# KiCad board rosco_m68k.kicad_pcb
title: rosco_m68k Classic 68030 Edition; date: 2023-12-17; rev: 030-2.00; company: The Really Old-School Company Limited; note: OSHWA UK000006 (https://certification.oshwa.org/uk000006.html); note: https://github.com/rosco-m68k/rosco_m68k/blob/develop/LICENSE; note: Open Source Hardware licenced under CERN Open Hardware Licence; note: Copyright ©2019-2023 Ross Bamford & Contributors
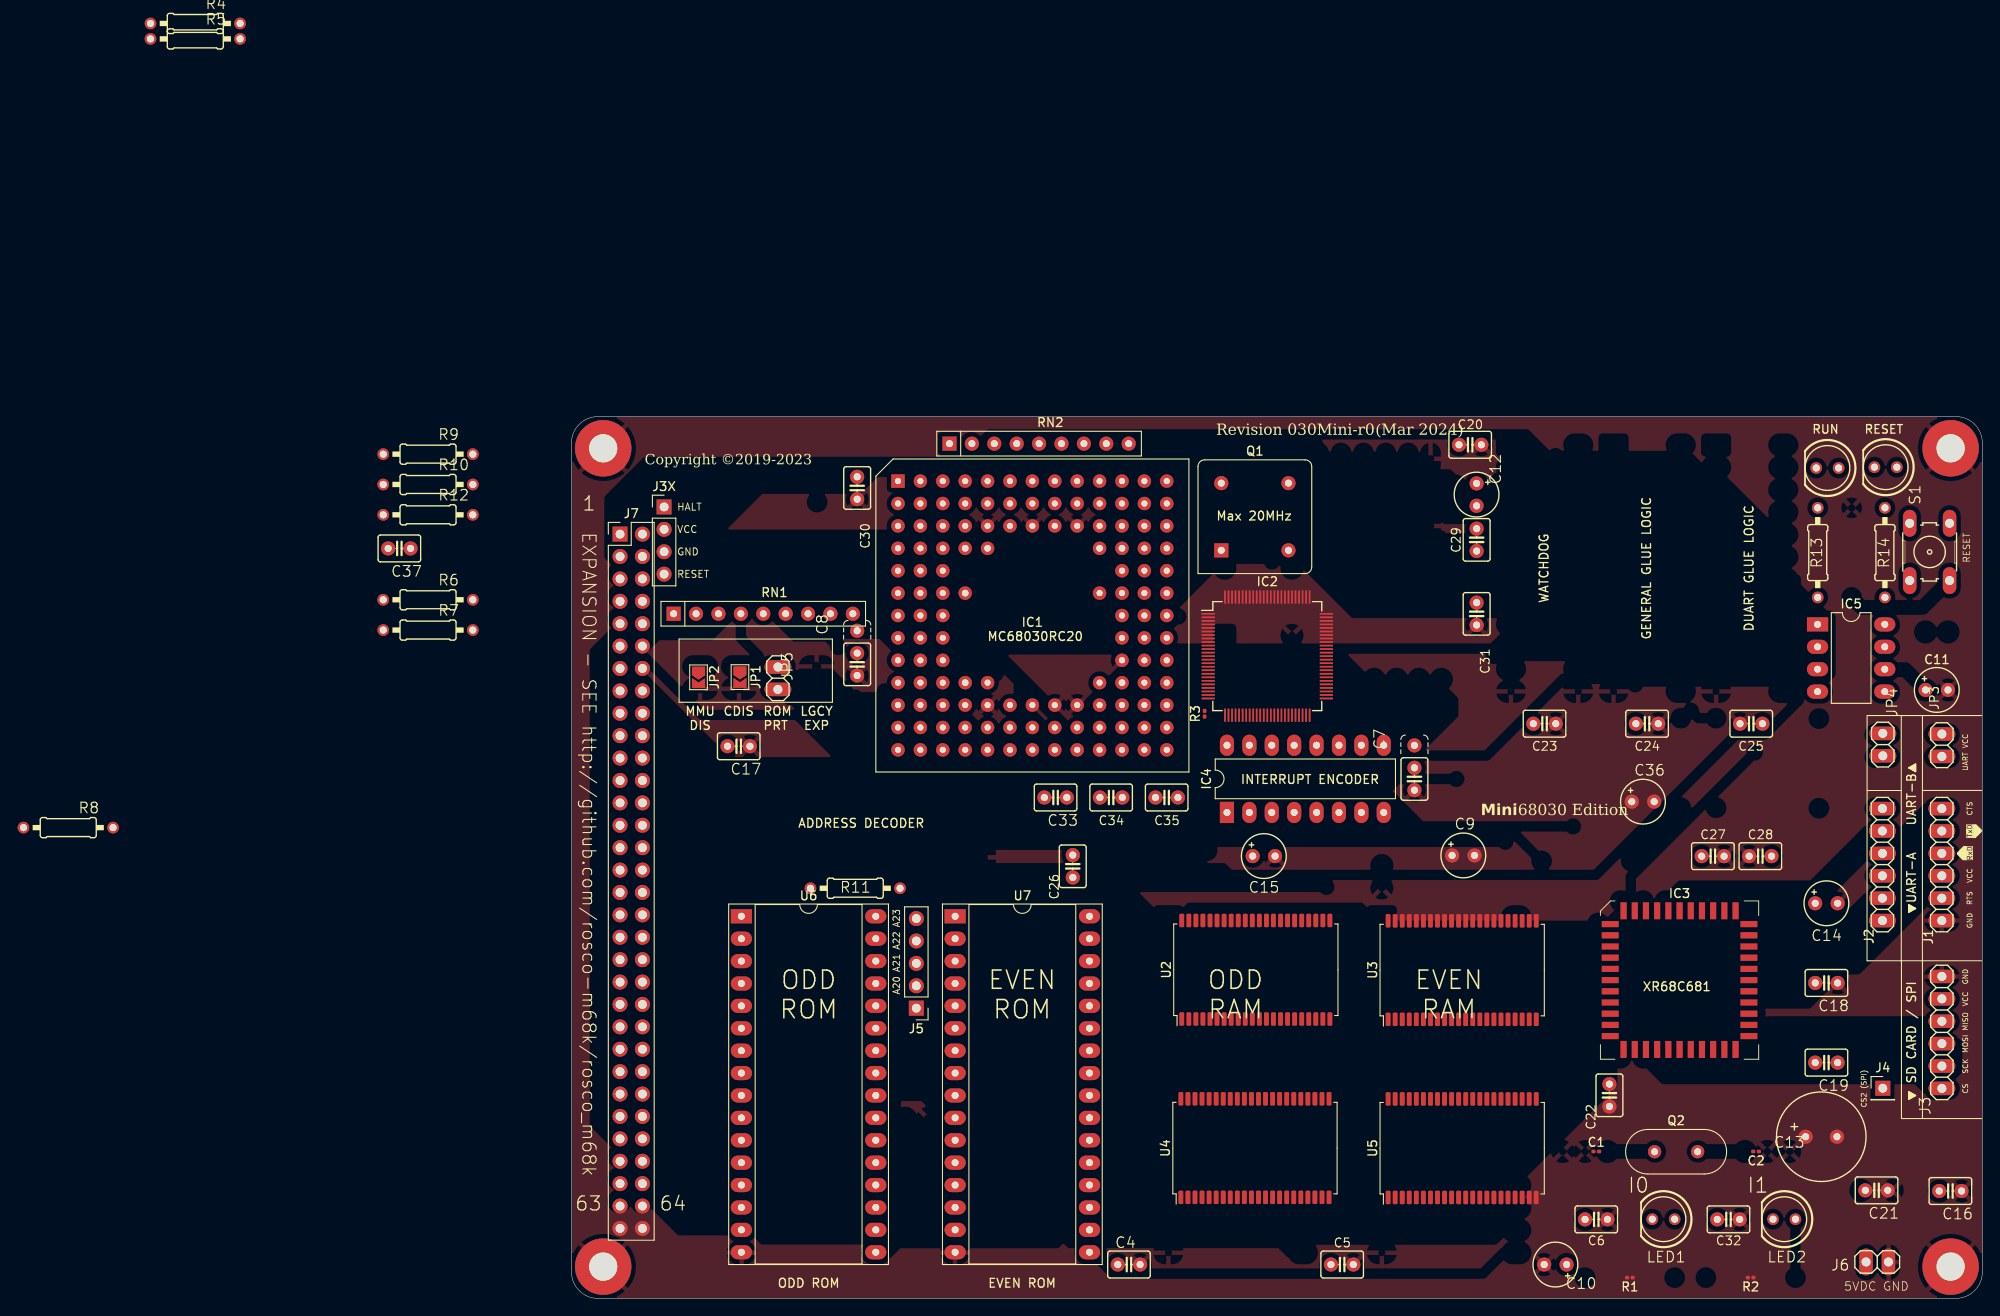
[diagram p0: board, top side]
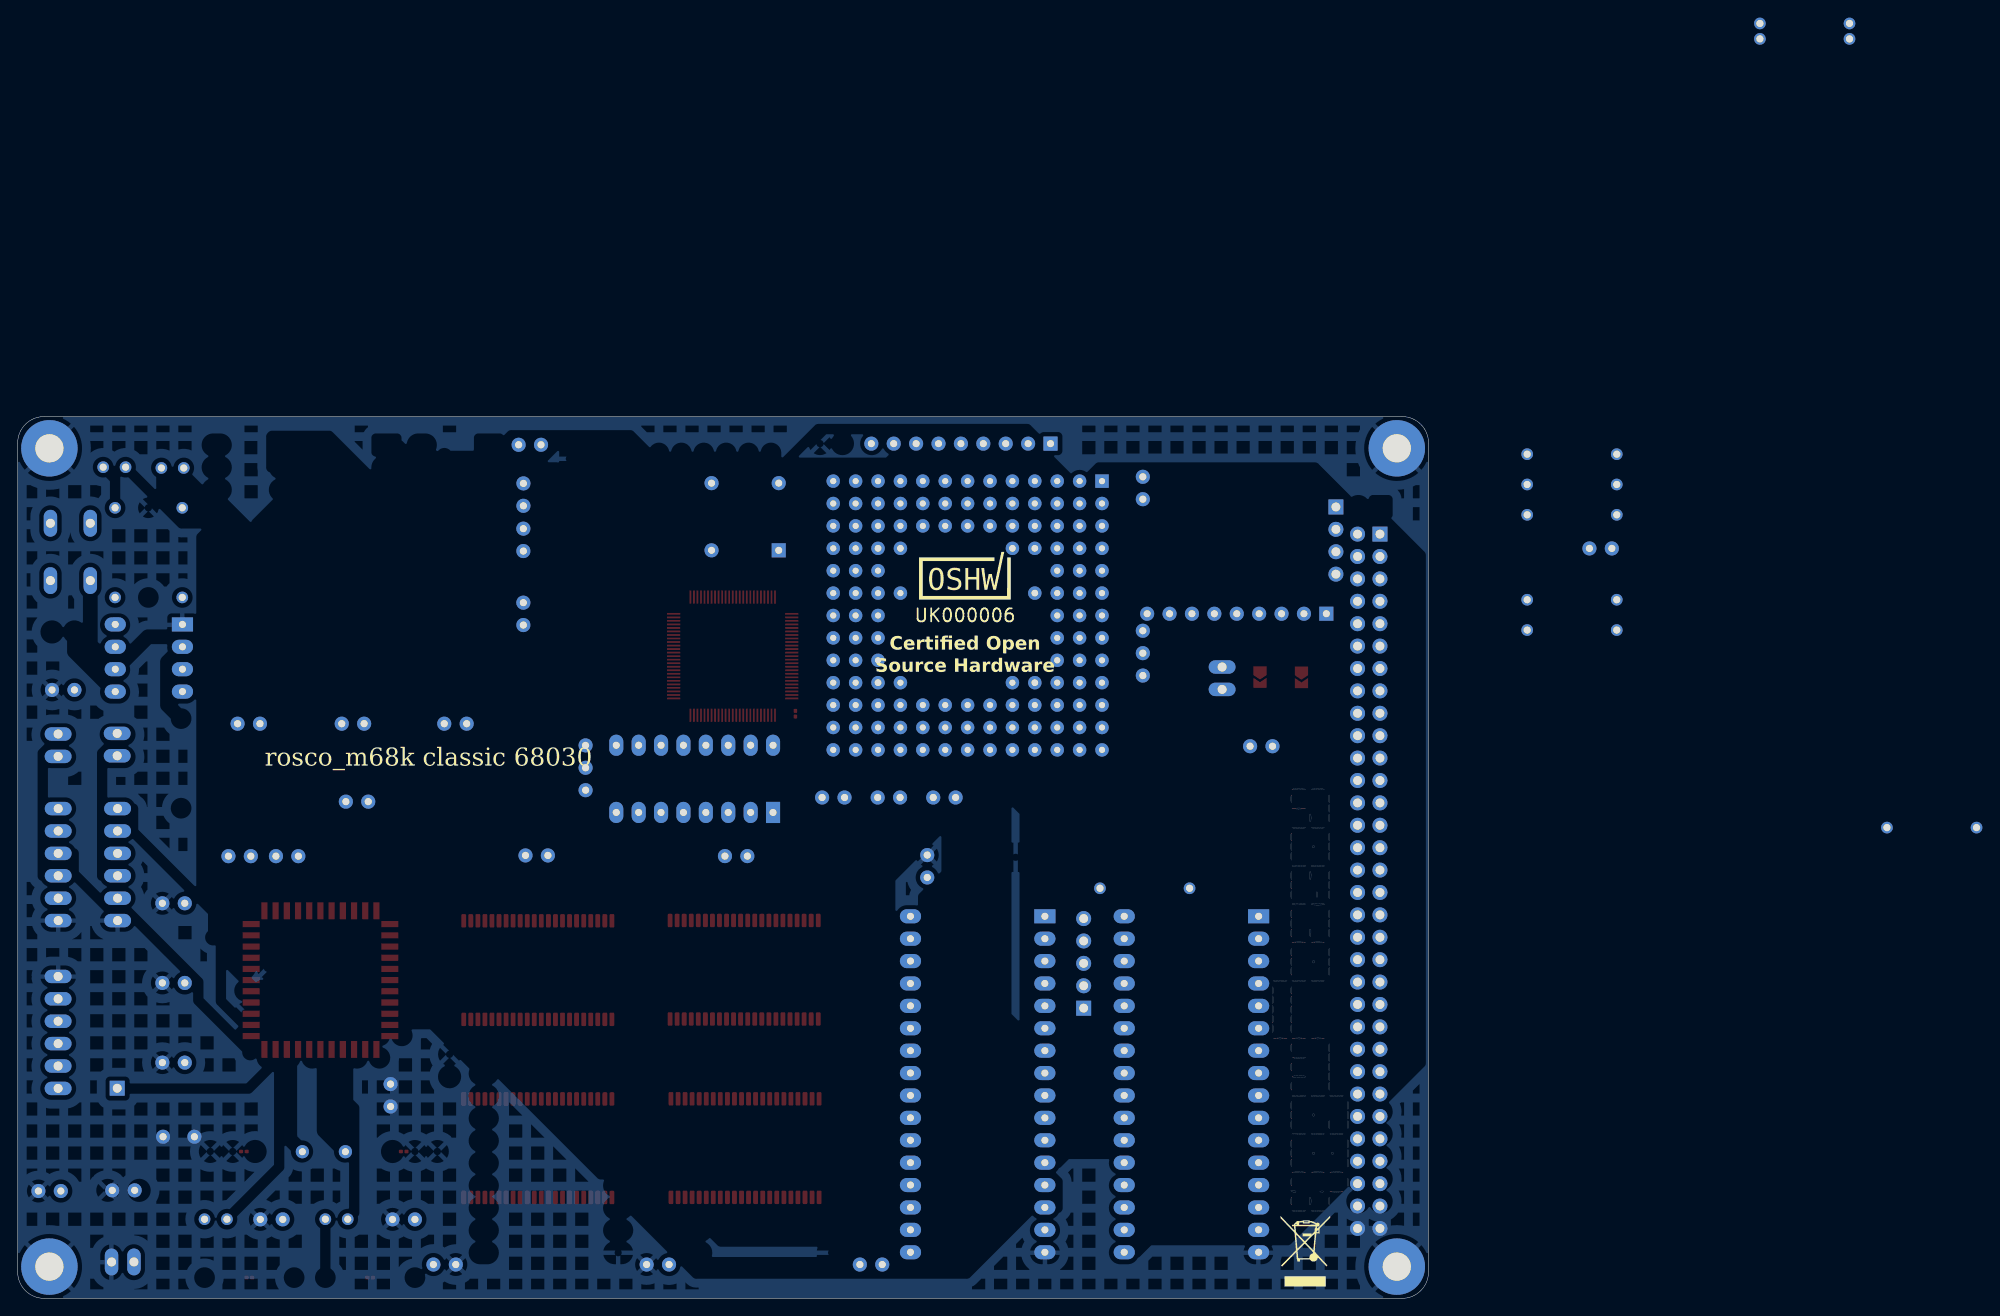
[diagram p1: board, bottom side, seen from below]

Outline 160 x 100 mm; copper layers: Top, Route2, Route15, Bottom. Coordinates in mm from the lower left corner of the outline.
Outline path: 0,97 0,3 arc(0.88,0.88) 3,0 157,0 arc(159.12,0.88) 160,3 160,97 arc(159.12,99.12) 157,100 3,100 arc(0.88,99.12) 0,97
Stack: Top 0.035mm / dielectric 0.48mm FR4 er 4.5 / Route2 0.035mm / dielectric 0.48mm FR4 er 4.5 / Route15 0.035mm / dielectric 0.48mm FR4 er 4.5 / Bottom 0.035mm

## Placement (name value [footprint] x y rotation side)
C1  100nF  [C_0201_0603Metric]  116.22 16.66 0 top
C2  100nF  [C_0201_0603Metric]  134.34 16.66 180 top
C4  100nF  [C2.5-3]  63.22 3.84 0 top
C5  100nF  [C2.5-3]  87.4 3.84 0 top
C6  100nF  [C2.5-3]  116.22 8.96 0 top
C7  7pF  [C2.5_or_3.5-3]  95.59 58.9 270 top
C8  7pF  [C2.5_or_3.5-3]  32.4 71.9 270 top
C9  100uF  [E2,5-5]  101.14 50.23 0 top
C10  100uF  [E2,5-5]  111.58 3.84 180 top
C11  100uF  [E2,5-5]  154.83 69 0 top
C12  100uF  [E2,5-5]  102.64 91.15 270 top
C13  470uF  [E3,5-10]  141.73 18.33 0 top
C14  100uF  [E2,5-5]  142.32 44.8 0 top
C15  100uF  [E2,5-5]  78.52 50.16 0 top
C16  100nF  [C2.5-3]  156.38 12.17 0 top
C17  100nF  [C2.5-3]  18.97 62.62 0 top
C18  100nF  [C2.5-3]  142.32 35.77 0 top
C19  100nF  [C2.5-3]  142.32 26.74 0 top
C20  100nF  [C2.5-3]  101.92 96.8 0 top
C21  100nF  [C2.5-3]  148 12.25 0 top
C22  100nF  [C2.5-3]  117.71 23.03 90 top
C23  100nF  [C2.5-3]  110.35 65.17 0 top
C24  100nF  [C2.5-3]  121.98 65.17 0 top
C25  100nF  [C2.5-3]  133.79 65.17 180 top
C26  100nF  [C2.5-3]  56.85 49 90 top
C27  100nF  [C2.5-3]  129.44 50.15 0 top
C28  100nF  [C2.5-3]  134.82 50.15 0 top
C29  100nF  [C2.5-3]  102.65 86.02 270 top
C30  100nF  [C2.5-3]  32.4 91.9 90 top
C31  100nF  [C2.5-3]  102.65 77.63 270 top
C32  100nF  [C2.5-3]  131.21 8.96 0 top
C33  100nF  [C2.5-3]  54.9 56.8 0 top
C34  100nF  [C2.5-3]  61.2 56.8 0 top
C35  100nF  [C2.5-3]  67.5 56.8 0 top
C36  100uF  [E2,5-5]  121.51 56.33 0 top
C37  100nF  [C2.5-3]  -19.52 85.04 0 top
H1  MountingHole  [MountingHole_3.2mm_M3_Pad]  3.6 3.6 0 top
H2  MountingHole  [MountingHole_3.2mm_M3_Pad]  3.6 96.4 0 top
H3  MountingHole  [MountingHole_3.2mm_M3_Pad]  156.4 96.4 0 top
H4  MountingHole  [MountingHole_3.2mm_M3_Pad]  156.4 3.6 0 top
IC1  MC68030RC_PGA  [MC68030RC]  52.27 77.44 180 top
IC2  ATF1504AS  [TQFP-100_12x12mm_P0.4mm]  78.91 72.83 0 top
IC3  XR68C681CJTR-F  [PLCC-44]  125.66 36.09 0 top
IC4  74LS148  [DIP-16_W7.62mm_LongPads]  74.34 55.1 90 top
IC5  555N  [DIP-8_W7.62mm_LongPads]  141.31 76.43 0 top
J1  UART_A  [1X06]  155.4 46.65 90 top
J2  UART_B  [1X06]  148.66 46.65 90 top
J3  Conn_01x06  [1X06]  155.41 27.62 90 top
J3-X1  Conn_01x04_Male  [PinHeader_1x04_P2.54mm_Vertical]  10.5 89.75 0 top
J4  Conn_01x01_Male  [PinHeader_1x01_P2.54mm_Vertical]  148.71 23.83 0 top
J5  Conn_01x05_Male  [PinHeader_1x05_P2.54mm_Vertical]  39.11 32.91 180 top
J6  PWR  [1X02]  148.08 4.13 0 top
J7  Conn_02x32_Odd_Even  [PinHeader_2x32_P2.54mm_Vertical]  5.51 86.67 0 top
JP1  Jumper  [SolderJumper-2_P1.3mm_Open_TrianglePad1.0x1.5mm]  19.11 70.45 270 top
JP2  Jumper  [SolderJumper-2_P1.3mm_Open_TrianglePad1.0x1.5mm]  14.41 70.43 270 top
JP3  Jumper  [1X02]  155.41 62.73 270 top
JP4  Jumper  [1X02]  148.71 62.8 270 top
JP5  Jumper  [1X02]  23.41 70.33 270 top
LED1  GREEN  [LED5MM]  123.84 8.98 180 top
LED2  RED  [LED5MM]  137.53 8.98 180 top
LED3  GREEN  [LED5MM]  142.43 94.17 180 top
LED4  RED  [LED5MM]  149.03 94.26 180 top
OSHW_Mono_0.25_Scale  UK000006  [OSHW_Mono_0.25_Scale]  52.57 81.95 180 bottom
Q1  5H8ET-40.000  [Oscillator_DIP-8]  73.69 84.83 0 top
Q2  3.6864MHz  [Crystal_HC49-4H_Vertical]  122.83 16.63 0 top
R1  4K7  [R_0201_0603Metric]  120.03 2.35 180 top
R2  1K2  [R_0201_0603Metric]  133.72 2.35 180 top
R3  1K2  [R_0201_0603Metric]  71.8 66.3 90 top
R4  330R  [0207_10]  -42.66 144.58 0 top
R5  330R  [0207_10]  -42.66 142.83 0 top
R6  4K7  [0207_10]  -16.26 79.23 0 top
R7  10K  [0207_10]  -16.26 75.79 0 top
R8  10K  [0207_10]  -57.06 53.39 0 top
R9  2K2  [0207_10]  -16.26 95.74 0 top
R10  270R  [0207_10]  -16.26 92.3 0 top
R11  330R  [0207_10]  32.18 46.51 0 top
R12  330R  [0207_10]  -16.26 88.86 0 top
R13  4K7  [0207_10]  141.33 84.57 270 top
R14  4K7  [0207_10]  148.95 84.57 270 top
REF**  -  [MD-rosco_m68k_logo]  16.41 32.8 270 bottom
RN1  4K7  [R_Array_SIP9]  11.59 77.64 0 top
RN2  4K7  [R_Array_SIP9]  42.87 96.93 0 top
rosco_m68k  -  [SM-rosco_m68k_logo]  17.7 97.44 0 top
rosco_m68k_mid  -  [SM-rosco_m68k_logo]  112.04 58.08 0 top
S1  10-XX  [B3F-10XX]  154.02 84.65 90 top
U2  AS6C8016  [TSOP-II-44_10.16x18.41mm_P0.8mm]  77.61 37.27 90 top
U3  AS6C8016  [TSOP-II-44_10.16x18.41mm_P0.8mm]  101.01 37.23 90 top
U4  AS6C8016  [TSOP-II-44_10.16x18.41mm_P0.8mm]  77.51 17.04 90 top
U5  AS6C8016  [TSOP-II-44_10.16x18.41mm_P0.8mm]  101.01 17.03 90 top
U6  SST39SF040  [DIP-32_W15.24mm_Socket_LongPads]  19.27 43.33 0 top
U7  SST39SF040  [DIP-32_W15.24mm_Socket_LongPads]  43.51 43.33 0 top
weee  -  [WEEE-Logo_5.6x8mm_SilkScreen]  13.98 5.36 180 bottom

## Library data of the parts
C4-C8 = -: Description: Unpolarized capacitor
H1-H4 = -: Description: Mounting Hole with connection
IC4 = -: Description: Priority Encoder 3 to 8 cascadable
J1 J2 = -: Description: Generic connector, single row, 01x06, script generated
J3 = -: Description: Generic connector, single row, 01x06, script generated (kicad-library-utils/schlib/autogen/connector/)
J3-X1 = -: Description: Generic connector, single row, 01x04, script generated
J4 = -: Description: Generic connector, single row, 01x01, script generated
J5 = -: Description: Generic connector, single row, 01x05, script generated
J6 = -: 1: +5V; 2: GND
J7 = -: Description: Generic connector, double row, 02x32, odd/even pin numbering scheme (row 1 odd numbers, row 2 even numbers), script generated (kicad-library-utils/schlib/autogen/connector/)
JP1-JP5 = -: Description: Jumper, 2-pole, open
Q1 = -: Description: Crystal Clock Oscillator, DIP8-style metal package
Q2 = -: Description: Two pin crystal
R1-R3 R6-R8 = -: Description: Resistor
RN1 RN2 = -: Description: 8 resistor network, star topology, bussed resistors, small symbol
U6 U7 = -: Description: Silicon Storage Technology (SSF) 512k x 8 Flash ROM

## Footprints (pads in the part's own frame, mm; a bottom-side part is the same pattern mirrored in y, then rotated)
1X02
  oval 1.524x3.048 hole 1.016: 1(-1.27,0) 2(1.27,0)
1X06
  oval 1.524x3.048 hole 1.016: 1(-3.81,0) 2(-1.27,0) 3(1.27,0) 4(3.81,0) 5(6.35,0) 6(8.89,0)
0207_10
  round 1.321 hole 0.813: 1(-5.08,0) 2(5.08,0)
B3F-10XX
  oval 3.048x1.524 hole 1.016: 1(-3.251,2.261) 2(3.251,2.261) 3(-3.251,-2.261) 4(3.251,-2.261)
C2.5-3
  round 1.6 hole 0.813: 1(-1.27,0) 2(1.27,0)
C2.5_or_3.5-3
  round 1.6 hole 0.813: 1(-3.81,0) 1(-1.27,0) 2(1.27,0)
C_0201_0603Metric
  rrect 0.318x0.36 smd: (-0.345,0) (0.345,0)
  rrect 0.46x0.4 smd: 1(-0.32,0) 2(0.32,0)
Crystal_HC49-4H_Vertical
  round 1.5 hole 0.8: 1(0,0) 2(4.88,0)
DIP-8_W7.62mm_LongPads
  rect 2.4x1.6 hole 0.8: 1(0,0)
  oval 2.4x1.6 hole 0.8: 2(0,-2.54) 3(0,-5.08) 4(0,-7.62) 5(7.62,-7.62) 6(7.62,-5.08) 7(7.62,-2.54) 8(7.62,0)
DIP-16_W7.62mm_LongPads
  rect 2.4x1.6 hole 0.8: 1(0,0)
  oval 2.4x1.6 hole 0.8: 2(0,-2.54) 3(0,-5.08) 4(0,-7.62) 5(0,-10.16) 6(0,-12.7) 7(0,-15.24) 8(0,-17.78) 9(7.62,-17.78) 10(7.62,-15.24) 11(7.62,-12.7) 12(7.62,-10.16) 13(7.62,-7.62) 14(7.62,-5.08) 15(7.62,-2.54) 16(7.62,0)
DIP-32_W15.24mm_Socket_LongPads
  rect 2.4x1.6 hole 0.8: 1(0,0)
  oval 2.4x1.6 hole 0.8: 2(0,-2.54) 3(0,-5.08) 4(0,-7.62) 5(0,-10.16) 6(0,-12.7) 7(0,-15.24) 8(0,-17.78) 9(0,-20.32) 10(0,-22.86) 11(0,-25.4) 12(0,-27.94) 13(0,-30.48) 14(0,-33.02) 15(0,-35.56) 16(0,-38.1) 17(15.24,-38.1) 18(15.24,-35.56) 19(15.24,-33.02) 20(15.24,-30.48) 21(15.24,-27.94) 22(15.24,-25.4) 23(15.24,-22.86) 24(15.24,-20.32) 25(15.24,-17.78) 26(15.24,-15.24) 27(15.24,-12.7) 28(15.24,-10.16) 29(15.24,-7.62) 30(15.24,-5.08) 31(15.24,-2.54) 32(15.24,0)
E2,5-5
  round 1.6 hole 0.813: +(-1.27,0) -(1.27,0)
E3,5-10
  round 1.6 hole 0.813: +(-1.778,0) -(1.778,0)
LED5MM
  round 1.321 hole 0.813: A(-1.27,0) K(1.27,0)
MC68030RC
  rect 1.524x1.524 hole 0.7: A1(15.24,-15.24)
  round 1.524 hole 0.7: A2(12.7,-15.24) A3(10.16,-15.24) A4(7.62,-15.24) A5(5.08,-15.24) A6(2.54,-15.24) A7(0,-15.24) A8(-2.54,-15.24) A9(-5.08,-15.24) A10(-7.62,-15.24) A11(-10.16,-15.24) A12(-12.7,-15.24) A13(-15.24,-15.24) B1(15.24,-12.7) B2(12.7,-12.7) B3(10.16,-12.7) B4(7.62,-12.7) B5(5.08,-12.7) B6(2.54,-12.7) B7(0,-12.7) B8(-2.54,-12.7) B9(-5.08,-12.7) B10(-7.62,-12.7) B11(-10.16,-12.7) B12(-12.7,-12.7) B13(-15.24,-12.7) C1(15.24,-10.16) C2(12.7,-10.16) C3(10.16,-10.16) C4(7.62,-10.16) C5(5.08,-10.16) C6(2.54,-10.16) C7(0,-10.16) C8(-2.54,-10.16) C9(-5.08,-10.16) C10(-7.62,-10.16) C11(-10.16,-10.16) C12(-12.7,-10.16) C13(-15.24,-10.16) D1(15.24,-7.62) D2(12.7,-7.62) D3(10.16,-7.62) D12(-12.7,-7.62) D13(-15.24,-7.62) E1(15.24,-5.08) E2(12.7,-5.08) E3(10.16,-5.08) E11(-10.16,-5.08) E12(-12.7,-5.08) E13(-15.24,-5.08) F1(15.24,-2.54) F2(12.7,-2.54) F3(10.16,-2.54) F10(-7.62,-2.54) F11(-10.16,-2.54) F12(-12.7,-2.54) F13(-15.24,-2.54) G1(15.24,0) G2(12.7,0) G3(10.16,0) G11(-10.16,0) G12(-12.7,0) G13(-15.24,0) H1(15.24,2.54) H2(12.7,2.54) H3(10.16,2.54) H11(-10.16,2.54) H12(-12.7,2.54) H13(-15.24,2.54) J1(15.24,5.08) J2(12.7,5.08) J3(10.16,5.08) J11(-10.16,5.08) J12(-12.7,5.08) J13(-15.24,5.08) K1(15.24,7.62) K2(12.7,7.62) K3(10.16,7.62) K5(5.08,7.62) K10(-7.62,7.62) K12(-12.7,7.62) K13(-15.24,7.62) L1(15.24,10.16) L2(12.7,10.16) L3(10.16,10.16) L4(7.62,10.16) L5(5.08,10.16) L6(2.54,10.16) L7(0,10.16) L8(-2.54,10.16) L9(-5.08,10.16) L10(-7.62,10.16) L11(-10.16,10.16) L12(-12.7,10.16) L13(-15.24,10.16) M1(15.24,12.7) M2(12.7,12.7) M3(10.16,12.7) M4(7.62,12.7) M5(5.08,12.7) M6(2.54,12.7) M7(0,12.7) M8(-2.54,12.7) M9(-5.08,12.7) M10(-7.62,12.7) M11(-10.16,12.7) M12(-12.7,12.7) M13(-15.24,12.7) N1(15.24,15.24) N2(12.7,15.24) N3(10.16,15.24) N4(7.62,15.24) N5(5.08,15.24) N6(2.54,15.24) N7(0,15.24) N8(-2.54,15.24) N9(-5.08,15.24) N10(-7.62,15.24) N11(-10.16,15.24) N12(-12.7,15.24) N13(-15.24,15.24)
  round 1.524 hole 0.762: D4(7.62,-7.62) D5(5.08,-7.62) D10(-7.62,-7.62) D11(-10.16,-7.62) F4(7.62,-2.54) K4(7.62,7.62) K11(-10.16,7.62)
MountingHole_3.2mm_M3_Pad
  round 6.4 hole 3.2: 1(0,0)
Oscillator_DIP-8
  rect 1.6x1.6 hole 0.8: 1(0,0)
  round 1.6 hole 0.8: 4(7.62,0) 5(7.62,7.62) 8(0,7.62)
PinHeader_1x01_P2.54mm_Vertical
  rect 1.7x1.7 hole 1: 1(0,0)
PinHeader_1x04_P2.54mm_Vertical
  rect 1.7x1.7 hole 1: 1(0,0)
  oval 1.7x1.7 hole 1: 2(0,-2.54) 3(0,-5.08) 4(0,-7.62)
PinHeader_1x05_P2.54mm_Vertical
  rect 1.7x1.7 hole 1: 1(0,0)
  oval 1.7x1.7 hole 1: 2(0,-2.54) 3(0,-5.08) 4(0,-7.62) 5(0,-10.16)
PinHeader_2x32_P2.54mm_Vertical
  rect 1.7x1.7 hole 1: 1(0,0)
  oval 1.7x1.7 hole 1: 2(2.54,0) 3(0,-2.54) 4(2.54,-2.54) 5(0,-5.08) 6(2.54,-5.08) 7(0,-7.62) 8(2.54,-7.62) 9(0,-10.16) 10(2.54,-10.16) 11(0,-12.7) 12(2.54,-12.7) 13(0,-15.24) 14(2.54,-15.24) 15(0,-17.78) 16(2.54,-17.78) 17(0,-20.32) 18(2.54,-20.32) 19(0,-22.86) 20(2.54,-22.86) 21(0,-25.4) 22(2.54,-25.4) 23(0,-27.94) 24(2.54,-27.94) 25(0,-30.48) 26(2.54,-30.48) 27(0,-33.02) 28(2.54,-33.02) 29(0,-35.56) 30(2.54,-35.56) 31(0,-38.1) 32(2.54,-38.1) 33(0,-40.64) 34(2.54,-40.64) 35(0,-43.18) 36(2.54,-43.18) 37(0,-45.72) 38(2.54,-45.72) 39(0,-48.26) 40(2.54,-48.26) 41(0,-50.8) 42(2.54,-50.8) 43(0,-53.34) 44(2.54,-53.34) 45(0,-55.88) 46(2.54,-55.88) 47(0,-58.42) 48(2.54,-58.42) 49(0,-60.96) 50(2.54,-60.96) 51(0,-63.5) 52(2.54,-63.5) 53(0,-66.04) 54(2.54,-66.04) 55(0,-68.58) 56(2.54,-68.58) 57(0,-71.12) 58(2.54,-71.12) 59(0,-73.66) 60(2.54,-73.66) 61(0,-76.2) 62(2.54,-76.2) 63(0,-78.74) 64(2.54,-78.74)
PLCC-44
  rect 0.7x1.925 smd: 1(0,7.862) 2(-1.27,7.862) 3(-2.54,7.862) 4(-3.81,7.862) 5(-5.08,7.862) 6(-6.35,7.862) 18(-6.35,-7.862) 19(-5.08,-7.862) 20(-3.81,-7.862) 21(-2.54,-7.862) 22(-1.27,-7.862) 23(0,-7.862) 24(1.27,-7.862) 25(2.54,-7.862) 26(3.81,-7.862) 27(5.08,-7.862) 28(6.35,-7.862) 40(6.35,7.862) 41(5.08,7.862) 42(3.81,7.862) 43(2.54,7.862) 44(1.27,7.862)
  rect 1.925x0.7 smd: 7(-7.862,6.35) 8(-7.862,5.08) 9(-7.862,3.81) 10(-7.862,2.54) 11(-7.862,1.27) 12(-7.862,0) 13(-7.862,-1.27) 14(-7.862,-2.54) 15(-7.862,-3.81) 16(-7.862,-5.08) 17(-7.862,-6.35) 29(7.862,-6.35) 30(7.862,-5.08) 31(7.862,-3.81) 32(7.862,-2.54) 33(7.862,-1.27) 34(7.862,0) 35(7.862,1.27) 36(7.862,2.54) 37(7.862,3.81) 38(7.862,5.08) 39(7.862,6.35)
R_0201_0603Metric
  rrect 0.318x0.36 smd: (-0.345,0) (0.345,0)
  rrect 0.46x0.4 smd: 1(-0.32,0) 2(0.32,0)
R_Array_SIP9
  rect 1.6x1.6 hole 0.8: 1(0,0)
  oval 1.6x1.6 hole 0.8: 2(2.54,0) 3(5.08,0) 4(7.62,0) 5(10.16,0) 6(12.7,0) 7(15.24,0) 8(17.78,0) 9(20.32,0)
SolderJumper-2_P1.3mm_Open_TrianglePad1.0x1.5mm
  custom 1.5x1.5 smd: 1(-0.725,0)
  custom 1.15x1.5 smd: 2(0.725,0)
TQFP-100_12x12mm_P0.4mm
  rect 1.5x0.2 smd: 1(-6.7,4.8) 2(-6.7,4.4) 3(-6.7,4) 4(-6.7,3.6) 5(-6.7,3.2) 6(-6.7,2.8) 7(-6.7,2.4) 8(-6.7,2) 9(-6.7,1.6) 10(-6.7,1.2) 11(-6.7,0.8) 12(-6.7,0.4) 13(-6.7,0) 14(-6.7,-0.4) 15(-6.7,-0.8) 16(-6.7,-1.2) 17(-6.7,-1.6) 18(-6.7,-2) 19(-6.7,-2.4) 20(-6.7,-2.8) 21(-6.7,-3.2) 22(-6.7,-3.6) 23(-6.7,-4) 24(-6.7,-4.4) 25(-6.7,-4.8) 51(6.7,-4.8) 52(6.7,-4.4) 53(6.7,-4) 54(6.7,-3.6) 55(6.7,-3.2) 56(6.7,-2.8) 57(6.7,-2.4) 58(6.7,-2) 59(6.7,-1.6) 60(6.7,-1.2) 61(6.7,-0.8) 62(6.7,-0.4) 63(6.7,0) 64(6.7,0.4) 65(6.7,0.8) 66(6.7,1.2) 67(6.7,1.6) 68(6.7,2) 69(6.7,2.4) 70(6.7,2.8) 71(6.7,3.2) 72(6.7,3.6) 73(6.7,4) 74(6.7,4.4) 75(6.7,4.8)
  rect 0.2x1.5 smd: 26(-4.8,-6.7) 27(-4.4,-6.7) 28(-4,-6.7) 29(-3.6,-6.7) 30(-3.2,-6.7) 31(-2.8,-6.7) 32(-2.4,-6.7) 33(-2,-6.7) 34(-1.6,-6.7) 35(-1.2,-6.7) 36(-0.8,-6.7) 37(-0.4,-6.7) 38(0,-6.7) 39(0.4,-6.7) 40(0.8,-6.7) 41(1.2,-6.7) 42(1.6,-6.7) 43(2,-6.7) 44(2.4,-6.7) 45(2.8,-6.7) 46(3.2,-6.7) 47(3.6,-6.7) 48(4,-6.7) 49(4.4,-6.7) 50(4.8,-6.7) 76(4.8,6.7) 77(4.4,6.7) 78(4,6.7) 79(3.6,6.7) 80(3.2,6.7) 81(2.8,6.7) 82(2.4,6.7) 83(2,6.7) 84(1.6,6.7) 85(1.2,6.7) 86(0.8,6.7) 87(0.4,6.7) 88(0,6.7) 89(-0.4,6.7) 90(-0.8,6.7) 91(-1.2,6.7) 92(-1.6,6.7) 93(-2,6.7) 94(-2.4,6.7) 95(-2.8,6.7) 96(-3.2,6.7) 97(-3.6,6.7) 98(-4,6.7) 99(-4.4,6.7) 100(-4.8,6.7)
TSOP-II-44_10.16x18.41mm_P0.8mm
  rrect 1.525x0.55 smd: 1(-5.588,8.4) 2(-5.588,7.6) 3(-5.588,6.8) 4(-5.588,6) 5(-5.588,5.2) 6(-5.588,4.4) 7(-5.588,3.6) 8(-5.588,2.8) 9(-5.588,2) 10(-5.588,1.2) 11(-5.588,0.4) 12(-5.588,-0.4) 13(-5.588,-1.2) 14(-5.588,-2) 15(-5.588,-2.8) 16(-5.588,-3.6) 17(-5.588,-4.4) 18(-5.588,-5.2) 19(-5.588,-6) 20(-5.588,-6.8) 21(-5.588,-7.6) 22(-5.588,-8.4) 23(5.588,-8.4) 24(5.588,-7.6) 25(5.588,-6.8) 26(5.588,-6) 27(5.588,-5.2) 28(5.588,-4.4) 29(5.588,-3.6) 30(5.588,-2.8) 31(5.588,-2) 32(5.588,-1.2) 33(5.588,-0.4) 34(5.588,0.4) 35(5.588,1.2) 36(5.588,2) 37(5.588,2.8) 38(5.588,3.6) 39(5.588,4.4) 40(5.588,5.2) 41(5.588,6) 42(5.588,6.8) 43(5.588,7.6) 44(5.588,8.4)

## Nets
GND: C1.2 C2.2 C4.1 C5.1 C6.1 C7.1 C8.1 C9.- C10.- C11.- C12.- C13.- C14.- C15.- C16.2 C17.2 C18.2 C19.2 C20.2 C21.2 C22.2 C23.2 C24.2 C25.2 C26.2 C27.2 C28.2 C29.2 C30.2 C31.2 C32.2 C33.2 C34.2 C35.2 C36.- H1.1 H2.1 H3.1 H4.1 IC1.C5 IC1.C7 IC1.C9 IC1.E3 IC1.E11 IC1.F3 IC1.G3 IC1.G11 IC1.J3 IC1.J11 IC1.L5 IC1.L7 IC1.L8 IC1.L9 IC2.11 IC2.26 IC2.38 IC2.43 IC2.59 IC2.74 IC2.86 IC2.95 IC3.3 IC3.22 IC3.42 IC3.43 IC4.5 IC4.8 IC4.10 IC5.1 J1.1 J2.1 J3.6 J3-X1.3 J6.2 J7.6 JP1.2 JP2.2 Q1.4 R10.1 U2.12 U2.34 U3.12 U3.34 U4.12 U4.34 U5.12 U5.34 U6.16 U7.16
VCC: C1.1 C2.1 C4.2 C5.2 C6.2 C9.+ C10.+ C11.+ C12.+ C13.+ C14.+ C15.+ C16.1 C17.1 C18.1 C19.1 C20.1 C21.1 C22.1 C23.1 C24.1 C25.1 C26.1 C27.1 C28.1 C29.1 C30.1 C31.1 C32.1 C33.1 C34.1 C35.1 C37.1 IC1.C6 IC1.D4 IC1.D10 IC1.F2 IC1.F11 IC1.H3 IC1.H11 IC1.K4 IC1.K10 IC1.L6 IC2.3 IC2.18 IC2.34 IC2.39 IC2.51 IC2.66 IC2.82 IC2.91 IC3.44 IC4.4 IC4.11 IC4.16 IC5.4 IC5.8 J3.5 J3-X1.2 J6.1 J7.2 JP3.2 JP4.2 Q1.8 R1.1 R2.1 R3.1 R4.2 R5.2 R6.1 R7.1 R8.1 R9.2 R11.2 R12.2 R13.2 R14.2 RN1.1 RN2.1 U2.11 U2.33 U3.11 U3.33 U4.11 U4.33 U5.11 U5.33 U6.32 U7.32
VCCUA: J1.3 JP3.1
VCCUB: J2.3 JP4.1
/CPU/A0: IC1.A2
/CPU/A1: IC1.C4
/CPU/A2: IC1.D13
/CPU/A3: IC1.D12
/CPU/A4: IC1.C13
/CPU/A5: IC1.C12
/CPU/A6: IC1.D11
/CPU/A7: IC1.B13
/CPU/A8: IC1.B12
/CPU/A9: IC1.C11
/CPU/A10: IC1.A13
/CPU/A11: IC1.C10
/CPU/A12: IC1.B11
/CPU/A13: IC1.A12
/CPU/A14: IC1.B10
/CPU/A15: IC1.A11
/CPU/A16: IC1.B9
/CPU/A17: IC1.A10
/CPU/A18: IC1.C8
/CPU/A19: IC1.A9
/CPU/A20: IC1.B8
/CPU/A21: IC1.A8
/CPU/A22: IC1.B7
/CPU/A23: IC1.A7
/CPU/A24: IC1.A6
/CPU/A25: IC1.B6
/CPU/A26: IC1.A5
/CPU/A27: IC1.B5
/CPU/A28: IC1.A4
/CPU/A29: IC1.B4
/CPU/A30: IC1.A3
/CPU/A31: IC1.B3
/CPU/BERR: IC1.H1
/CPU/CDIS: IC1.H12 JP1.1
/CPU/CLK: IC1.E1 Q1.5
/CPU/D0: IC1.K13
/CPU/D1: IC1.K12
/CPU/D2: IC1.L13
/CPU/D3: IC1.M13
/CPU/D4: IC1.L12
/CPU/D5: IC1.K11
/CPU/D6: IC1.M12
/CPU/D7: IC1.L11
/CPU/D8: IC1.N13
/CPU/D9: IC1.M11
/CPU/D10: IC1.L10
/CPU/D11: IC1.N12
/CPU/D12: IC1.M10
/CPU/D13: IC1.N11
/CPU/D14: IC1.M9
/CPU/D15: IC1.N10
/CPU/D16: IC1.N9
/CPU/D17: IC1.M8
/CPU/D18: IC1.N8
/CPU/D19: IC1.N7
/CPU/D20: IC1.M7
/CPU/D21: IC1.N6
/CPU/D22: IC1.M6
/CPU/D23: IC1.N5
/CPU/D24: IC1.M5
/CPU/D25: IC1.N4
/CPU/D26: IC1.N3
/CPU/D27: IC1.M4
/CPU/D28: IC1.N2
/CPU/D29: IC1.M3
/CPU/D30: IC1.L4
/CPU/D31: IC1.N1
/CPU/FC0: IC1.D2
/CPU/FC1: IC1.C1
/CPU/FC2: IC1.D1
/CPU/IPL0: IC1.H13
/CPU/IPL1: IC1.G13
/CPU/IPL2: IC1.G12
/CPU/MMUDIS: IC1.F13 JP2.1
/CPU/SIZ0: IC1.L2
/CPU/SIZ1: IC1.K3
/CPU/~{AS}: IC1.J2
/CPU/~{AVEC}: IC1.E2
/CPU/~{BERR}: RN1.9
/CPU/~{BGACK}: IC1.C3 RN1.3
/CPU/~{BG}: IC1.B2
/CPU/~{BR}: IC1.A1 RN1.2
/CPU/~{CDIS}: RN2.8
/CPU/~{CIIN}: IC1.L1 RN1.8
/CPU/~{DSACK0}: IC1.F1
/CPU/~{DSACK1}: IC1.G2 R2.2 R3.2
/CPU/~{DS}: IC1.K2
/CPU/~{HALT}: IC1.H2
/CPU/~{IRQ2}: RN1.6
/CPU/~{IRQ3}: RN1.4
/CPU/~{IRQ5}: RN1.5
/CPU/~{IRQ6}: RN1.7
/CPU/~{MMUDIS}: RN2.9
/CPU/~{RESET}: IC1.F12
/CPU/~{RW}: IC1.L3
/CPU/~{STERM}: IC1.G1 RN2.7
/GALs/A0: IC2.33
/GALs/A1: IC2.35
/GALs/A2: IC2.84
/GALs/A3: IC2.89
/GALs/A6: IC2.80
/GALs/A7: IC2.64
/GALs/A8: IC2.65
/GALs/A9: IC2.67
/GALs/A10: IC2.68
/GALs/A11: IC2.69
/GALs/A12: IC2.71
/GALs/A13: IC2.36
/GALs/A14: IC2.76
/GALs/A15: IC2.79
/GALs/A16: IC2.14
/GALs/A17: IC2.13
/GALs/A18: IC2.12
/GALs/A19: IC2.10
/GALs/A20: IC2.9
/GALs/A21: IC2.8
/GALs/A22: IC2.6
/GALs/A23: IC2.100
/GALs/A24: IC2.99
/GALs/A25: IC2.98
/GALs/A26: IC2.97
/GALs/A27: IC2.96
/GALs/A28: IC2.17
/GALs/A29: IC2.40
/GALs/A30: IC2.42
/GALs/A31: IC2.45
/GALs/FC0: IC2.44
/GALs/FC1: IC2.46
/GALs/FC2: IC2.83
/GALs/GCLK: IC2.87
/GALs/GLUE_TCK: IC2.62
/GALs/GLUE_TDI: IC2.4
/GALs/GLUE_TDO: IC2.73
/GALs/GLUE_TMS: IC2.15
/GALs/HWRST: IC2.88
/GALs/RUNLED: IC2.48
/GALs/R~{W}: IC2.63
/GALs/SIZ0: IC2.37
/GALs/SIZ1: IC2.75
/GALs/W~{R}: IC2.47
/GALs/~{AS}: IC2.90
/GALs/~{BERR}: IC2.56
/GALs/~{CI}: IC2.31
/GALs/~{DSACK0}: IC2.85
/GALs/~{DSACK1}: IC2.30
/GALs/~{DUAIACK}: IC2.52
/GALs/~{DUASEL}: IC2.93
/GALs/~{EVENROM}: IC2.19
/GALs/~{EXPSEL}: IC2.16
/GALs/~{HALT}: IC2.81
/GALs/~{IACK}: IC2.54
/GALs/~{IOSEL}: IC2.32
/GALs/~{LLDS}: IC2.61
/GALs/~{LMDS}: IC2.60
/GALs/~{OB_IOSEL1}: IC2.94
/GALs/~{OB_IOSEL2}: IC2.92
/GALs/~{ODDROM}: IC2.20
/GALs/~{RAM0_L}: IC2.29
/GALs/~{RAM0_U}: IC2.21
/GALs/~{RAM1_L}: IC2.23
/GALs/~{RAM1_U}: IC2.25
/GALs/~{RESET}: IC2.41
/GALs/~{UMDS}: IC2.58
/GALs/~{UUDS}: IC2.57
/Memory/A1: U2.5 U3.5 U4.5 U5.5 U6.12 U7.12
/Memory/A2: U2.4 U3.4 U4.4 U5.4 U6.11 U7.11
/Memory/A3: U2.3 U3.3 U4.3 U5.3 U6.10 U7.10
/Memory/A4: U2.2 U3.2 U4.2 U5.2 U6.9 U7.9
/Memory/A5: U2.1 U3.1 U4.1 U5.1 U6.8 U7.8
/Memory/A6: U2.44 U3.44 U4.44 U5.44 U6.7 U7.7
/Memory/A7: U2.43 U3.43 U4.43 U5.43 U6.6 U7.6
/Memory/A8: U2.42 U3.42 U4.42 U5.42 U6.5 U7.5
/Memory/A9: U2.28 U3.28 U4.28 U5.28 U6.27 U7.27
/Memory/A10: U2.27 U3.27 U4.27 U5.27 U6.26 U7.26
/Memory/A11: U2.26 U3.26 U4.26 U5.26 U6.23 U7.23
/Memory/A12: U2.25 U3.25 U4.25 U5.25 U6.25 U7.25
/Memory/A13: U2.24 U3.24 U4.24 U5.24 U6.4 U7.4
/Memory/A14: U2.23 U3.23 U4.23 U5.23 U6.28 U7.28
/Memory/A15: U2.22 U3.22 U4.22 U5.22 U6.29 U7.29
/Memory/A16: U2.21 U3.21 U4.21 U5.21 U6.3 U7.3
/Memory/A17: U2.20 U3.20 U4.20 U5.20 U6.2 U7.2
/Memory/A18: U2.19 U3.19 U4.19 U5.19 U6.30 U7.30
/Memory/A19: U2.18 U3.18 U4.18 U5.18 U6.1 U7.1
/Memory/D0: U2.7 U3.7 U6.13
/Memory/D1: U2.8 U3.8 U6.14
/Memory/D2: U2.9 U3.9 U6.15
/Memory/D3: U2.10 U3.10 U6.17
/Memory/D4: U2.13 U3.13 U6.18
/Memory/D5: U2.14 U3.14 U6.19
/Memory/D6: U2.15 U3.15 U6.20
/Memory/D7: U2.16 U3.16 U6.21
/Memory/D8: U2.29 U3.29 U7.13
/Memory/D9: U2.30 U3.30 U7.14
/Memory/D10: U2.31 U3.31 U7.15
/Memory/D11: U2.32 U3.32 U7.17
/Memory/D12: U2.35 U3.35 U7.18
/Memory/D13: U2.36 U3.36 U7.19
/Memory/D14: U2.37 U3.37 U7.20
/Memory/D15: U2.38 U3.38 U7.21
/Memory/D16: U4.7 U5.7
/Memory/D17: U4.8 U5.8
/Memory/D18: U4.9 U5.9
/Memory/D19: U4.10 U5.10
/Memory/D20: U4.13 U5.13
/Memory/D21: U4.14 U5.14
/Memory/D22: U4.15 U5.15
/Memory/D23: U4.16 U5.16
/Memory/D24: U4.29 U5.29
/Memory/D25: U4.30 U5.30
/Memory/D26: U4.31 U5.31
/Memory/D27: U4.32 U5.32
/Memory/D28: U4.35 U5.35
/Memory/D29: U4.36 U5.36
/Memory/D30: U4.37 U5.37
/Memory/D31: U4.38 U5.38
/Memory/R~{W}: JP5.1 U2.17 U3.17 U4.17 U5.17
/Memory/W~{R}: U2.41 U3.41 U4.41 U5.41 U6.24 U7.24
/Memory/~{EVENROMSEL}: U7.22
/Memory/~{LLDS}: U2.39 U3.39
/Memory/~{LMDS}: U2.40 U3.40
/Memory/~{ODDROMSEL}: U6.22
/Memory/~{RAM0_L}: U2.6
/Memory/~{RAM0_U}: U4.6
/Memory/~{RAM1_L}: U3.6
/Memory/~{RAM1_U}: U5.6
/Memory/~{UMDS}: U4.39 U5.39
/Memory/~{UUDS}: U4.40 U5.40
A1: IC3.2 J7.1
A2: IC3.4 J7.3
A3: IC3.6 J7.5
A4: IC3.7 J7.7
A5: J7.9
A6: J7.11
A7: J7.13
A8: J7.15
A9: J7.17
A10: J7.19
A11: J7.21
A12: J7.23
A13: J7.25
A14: J7.27
A15: J7.29
A16: J7.31
A17: J7.33
A18: J7.35
A19: J7.37
A20: J5.2 J7.39
A21: J5.3 J7.41
A22: J5.4 J7.43
A23: J5.5 J7.45
AS: J7.47
BERR: J7.49
BG: J7.51
BGACK: J7.53
BR: J7.55
CLK: J7.4
CTSA: IC3.8 J1.6
CTSB: IC3.5 J2.6
D0: IC3.28 J7.61
D1: IC3.18 J7.63
D2: IC3.27 J7.64
D3: IC3.19 J7.62
D4: IC3.26 J7.60
D5: IC3.20 J7.58
D6: IC3.25 J7.56
D7: IC3.21 J7.54
D8: J7.52
D9: J7.50
D10: J7.48
D11: J7.46
D12: J7.44
D13: J7.42
D14: J7.40
D15: J7.38
DTACK: IC3.10 J7.57
DUAIACK: IC3.41
DUAIRQ: IC3.24 IC4.1 R6.2
DUASEL: IC3.39
E: J7.10
EXPSEL: J5.1 J7.18
FC0: J7.20
FC1: J7.22
FC2: J7.24
HALT: J3-X1.1 R13.1
HWRST: IC5.3
IOSEL: J7.16
IPL0: IC4.9
IPL1: IC4.7
IPL2: IC4.6
IRQ2: IC4.12 J7.28
IRQ3: IC4.13 J7.14
IRQ5: IC4.2 J7.26
IRQ6: IC4.3 J7.30
LDS: J7.32
RESET: IC3.38 J3-X1.4 J7.36 LED4.K R14.1
ROM_R~{W}: JP5.2 R8.2 U6.31 U7.31
RTSA: IC3.32 J1.2
RTSB: IC3.14 J2.2
RUNLED: LED3.K
RW: IC3.9 J7.59
RXDA: IC3.35 J1.4
RXDB: IC3.11 J2.4
SPICLK: IC3.30 J3.2
SPICS: IC3.31 J3.1
SPICS2: IC3.17 J4.1
SPIMISO: IC3.40 J3.4
SPIMOSI: IC3.29 J3.3
TXDA: IC3.33 J1.5
TXDB: IC3.13 J2.5
UDS: J7.34
VPA: J7.8 R7.2
~{CBACK}: IC1.J1 RN2.6
~{CBREQ}: IC1.K1
~{CIOUT}: IC1.C2
~{DBEN}: IC1.M1 RN2.5
Net-(IC3-OP3): IC3.15 LED2.K
Net-(IC3-OP5): IC3.16 LED1.K
Net-(IC3-X1/CLK): C7.2 IC3.36 Q2.1
Net-(IC3-X2): C8.2 IC3.37 Q2.2
Net-(IC5-CV): C37.2 IC5.5
Net-(IC5-THR): C36.+ IC5.2 IC5.6 R9.1 S1.1
Net-(LED1-PadA): LED1.A R4.1
Net-(LED2-PadA): LED2.A R5.1
Net-(LED3-PadA): LED3.A R11.1
Net-(LED4-PadA): LED4.A R12.1
Net-(Q1-EN): Q1.1 R1.2
Net-(S1-P): R10.2 S1.3

Pads without a net: IC1 B1 D3 D5 E12 E13 F4 F10 J12 J13 K5 M2; IC2 1 2 5 7 22 24 27 28 49 50 53 55 70 72 77 78; IC3 1 12 23 34; IC4 14 15; IC5 7; J7 12; RN2 2 3 4; S1 2 4

## Copper pours and planes (outline as drawn; the poured copper is in the pictures)
GND on Top: -0.9,101.1 161.1,101.1 161.1,-0.9 -0.9,-0.9
GND on Bottom: -0.9,101.1 161.1,101.1 161.1,-0.9 -0.9,-0.9
GND on Route2: 160.7,97.95 160.7,1.43 158.16,-1.11 1.95,-1.11 -0.59,1.43 -0.59,97.95 1.95,100.49 158.16,100.49
VCC on Route15: 160.7,97.95 160.7,1.43 158.16,-1.11 1.95,-1.11 -0.59,1.43 -0.59,97.95 1.95,100.49 158.16,100.49

## Text on the board
B.Silkscreen: Certified Open / Source Hardware | rosco_m68k classic 68030
F.Silkscreen: UART VCC | CS2 (SPI) | GND | VCC | MISO | MOSI | SCK | CS | CTS | TxD | RxD | RTS | RESET | A23 | A22 | A21 | A20 | HALT | 5VDC GND | RUN | CDIS | ROM / PRT | J3X | ODD ROM | ADDRESS DECODER | EVEN ROM | MC68030RC20 | Max 20MHz | INTERRUPT ENCODER | XR68C681 | MMU / DIS | LGCY / EXP | WATCHDOG | GENERAL GLUE LOGIC | DUART GLUE LOGIC | ▼UART-A    UART-B▲ | ▼ SD CARD / SPI | EXPANSION - SEE http://github.com/rosco-m68k/rosco_m68k | 63 | 1 | 64 | I0 | I1 | ODD / ROM | EVEN / ROM | ODD / RAM | EVEN / RAM | Copyright ©2019-2023 | Revision 030Mini-r0(Mar 2024) | 68030 Edition | Mini
